# Altium PCB main_io.PcbDoc (part 1 of 6) (continued)
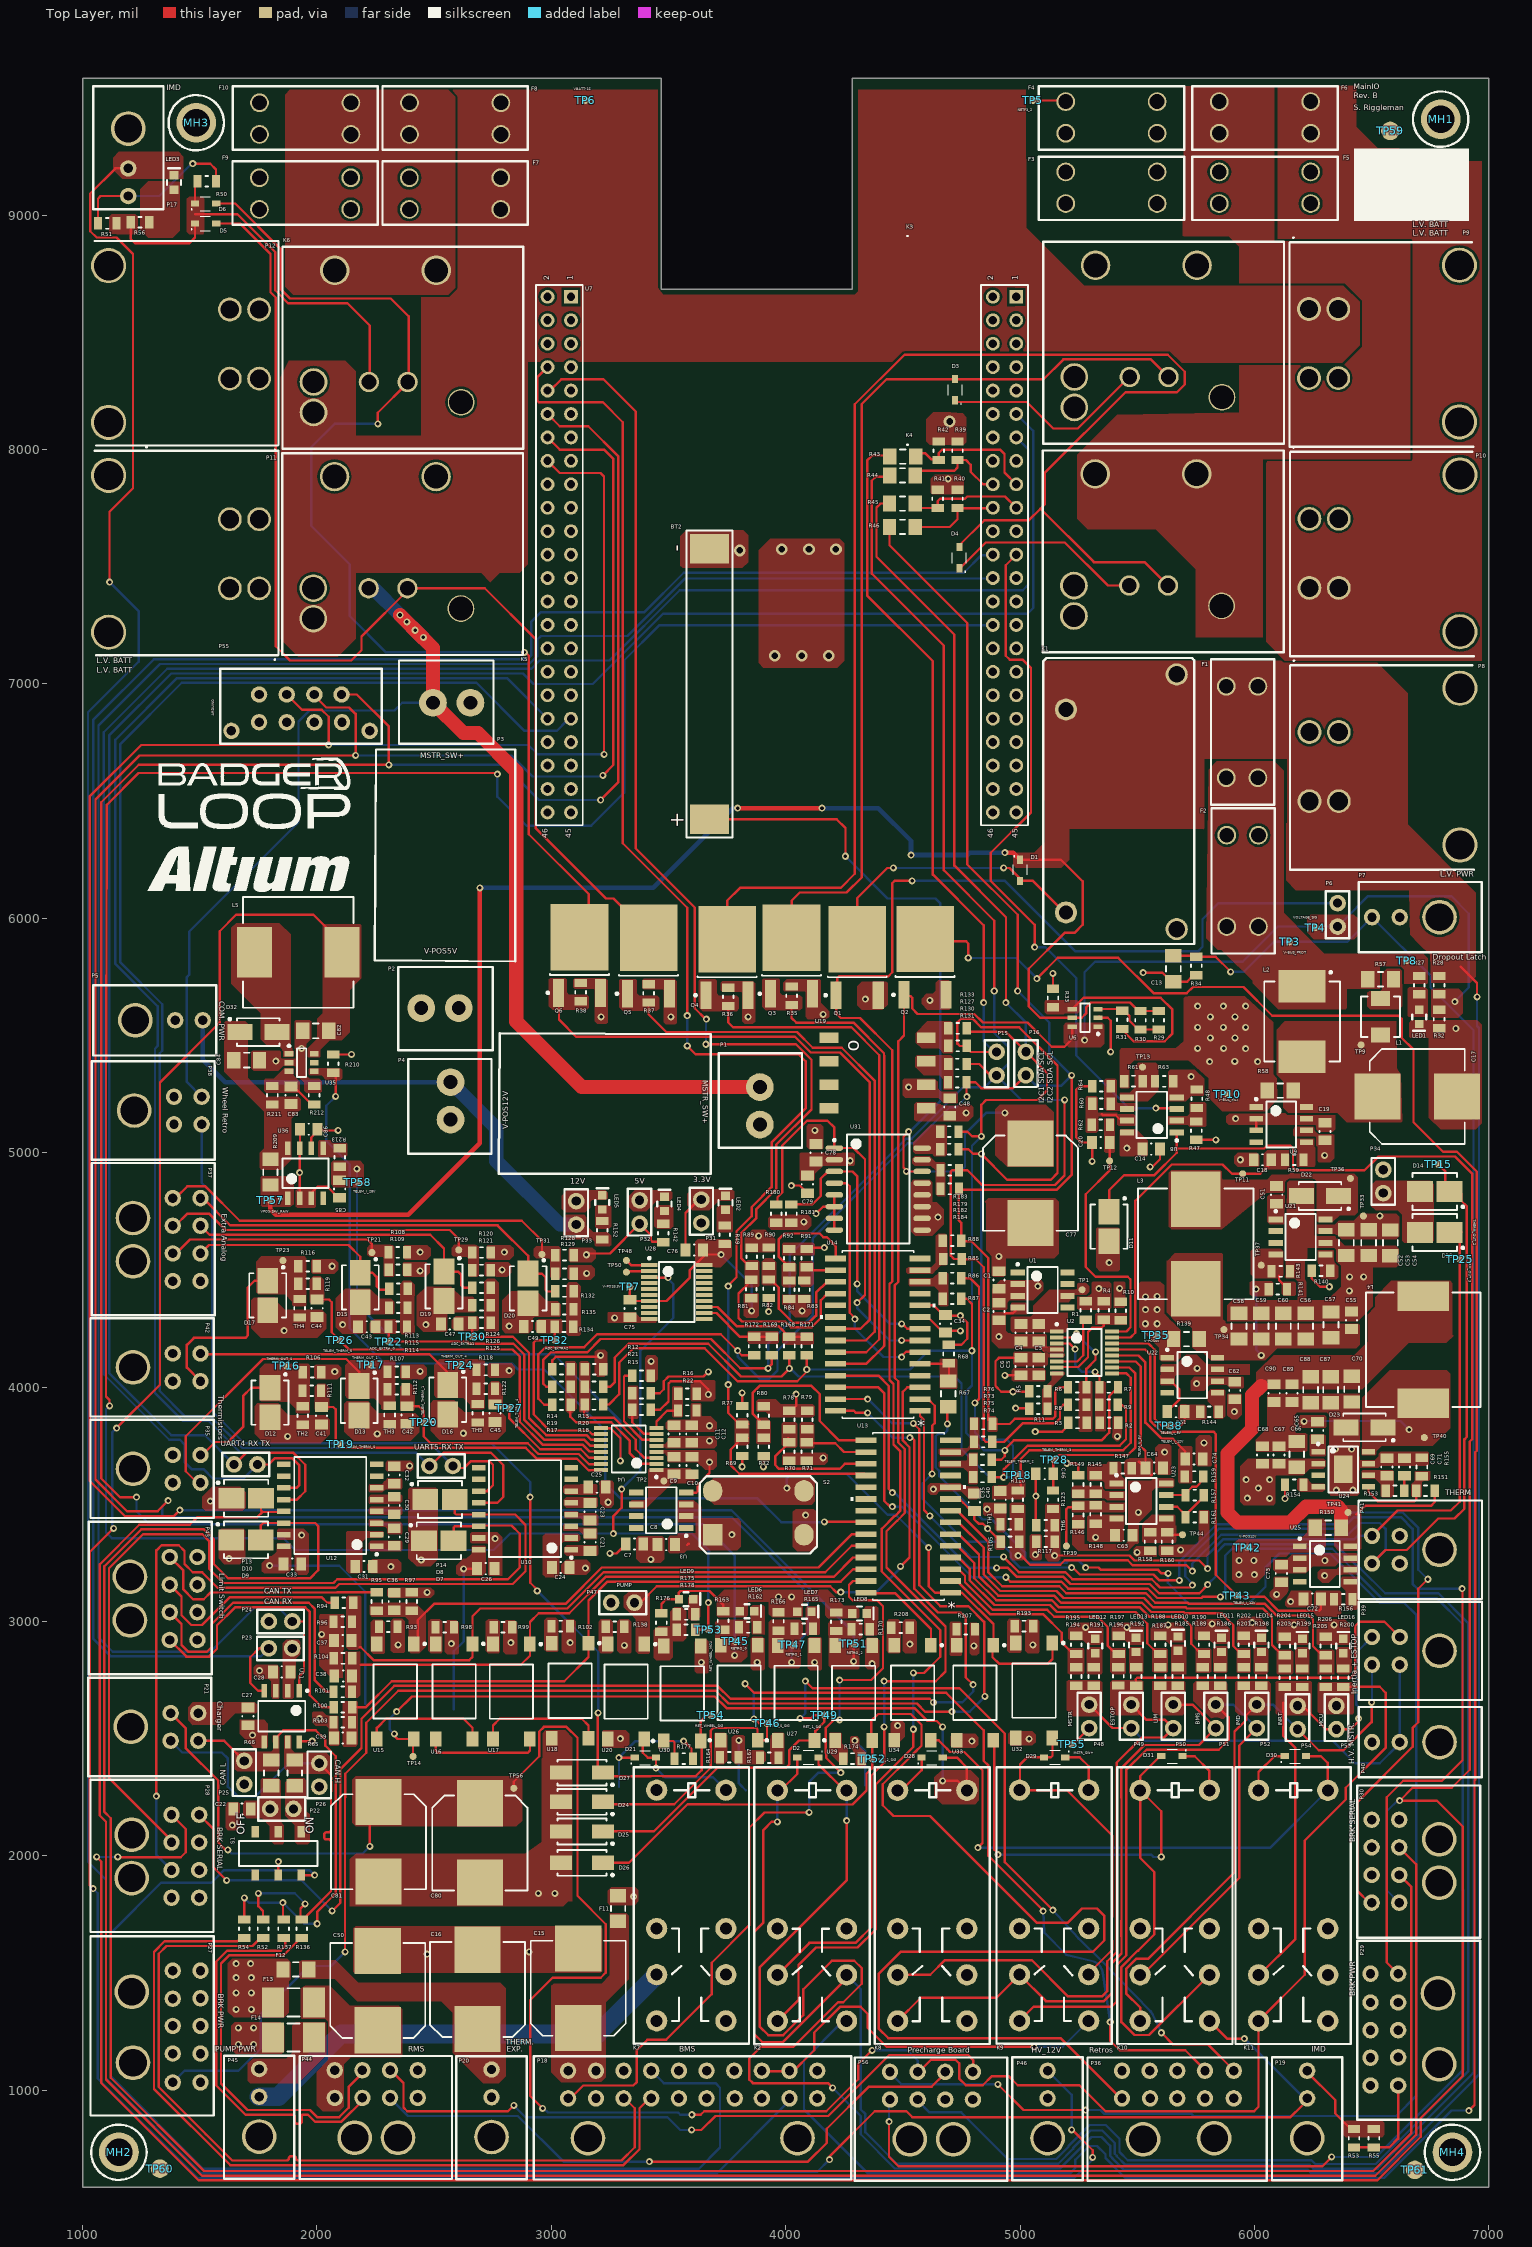
[diagram p0: Top Layer view]
## Components (designator, comment, footprint, x,y, rotation, side; value= is the part's Value field where it differs from the comment) (continued)
R30 "5.1k" SMD-0805-RES 5514,5565 r90 top
R31 "34" SMD-0805-RES 5436,5567 r90 top
R32 "510k" SMD-0805-RES 6788.27,5570 r90 top
R33 "68" SMD-0805-RES 5140.63,5660 r270 top
R34 "255k" SMD-0805-RES 5752.51,5797 r90 top
R35 "10k" SMD-0805-RES 4025,5670 r270 top
R36 "10k" SMD-0805-RES 3755,5665 r270 top
R37 "10k" SMD-0805-RES 3415,5680 r270 top
R38 "10k" SMD-0805-RES 3125,5685 r270 top
R39 "10k" SMD-0805-RES 4733.27,7995 r90 top
R40 "10k" SMD-0805-RES 4733.27,7790 r90 top
R41 "10k" SMD-0805-RES 4648.27,7790 r90 top
R42 "10k" SMD-0805-RES 4653.54,7995 r90 top
R43 "0.0" SMD-1206-RES 4500,7970 r0 top
R44 "0.0" SMD-1206-RES 4498.5,7890 r180 top
R45 "0.0" SMD-1206-RES 4498.27,7770 r0 top
R46 "0.0" SMD-1206-RES 4498.27,7670 r180 top
R47 "10k" SMD-0805-RES 5752.51,5094.13 r270 top
R48 "10k" SMD-0805-RES 5754.87,5230 r270 top
R49 "180" SMD-0805-RES 3740,4650 r270 top
R50 "0.0" SMD-0805-RES 1530,9145 r0 top
R51 "1k" SMD-0805-RES 1105,8965 r0 top
R52 "0.0" SMD-0805-RES 1770,1688.7 r270 top
R53 "0.0" SMD-0805-RES 6425,795 r90 top
R54 "0.0" SMD-0805-RES 1690,1688.98 r270 top
R55 "1k" SMD-0805-RES 6510,795 r270 top
R56 "1k" SMD-0805-RES 1245,8970 r0 top
R57 "0.18" SMD-1206-RES 6538.27,5740 r0 top
R58 ".004" SMD-1206-RES 6110,5265 r180 top
R59 "30k" SMD-0805-RES 6170,4970 r180 top
R60 "6.2k" SMD-0805-RES 5347.32,5208.5 r180 top
R61 "100k" SMD-0805-RES 5483.93,5305.59 r0 top
R62 "30k" SMD-0805-RES 5344.87,5118.62 r0 top
R63 "10k" SMD-0805-RES 5614.87,5304.13 r180 top
R64 "10k" SMD-0805-RES 5347.32,5283.5 r0 top
R65 "60.4" SMD-1206-RES 1905,2353.37 r270 top
R66 "60.4" SMD-1206-RES 1805,2353.37 r270 top
R67 "46.4k" SMD-1206-RES 4693.41,3971.02 r270 top
R68 "10k" SMD-0805-RES 4695.28,4141.02 r270 top
R69 "10k" SMD-0805-RES 3814.49,3745 r270 top
R70 "10k" SMD-0805-RES 4015.69,3724.74 r270 top
R71 "10k" SMD-0805-RES 4090.69,3724.74 r270 top
R72 "10k" SMD-0805-RES 3905.69,3744.74 r270 top
R73 "0.0" SMD-0805-RES 4842.57,3765.88 r0 top
R74 "0.0" SMD-0805-RES 4840,3616.26 r0 top
R75 "0.0" SMD-0805-RES 4840,3690 r0 top
R76 "0.0" SMD-0805-RES 4843.06,3842.73 r0 top
R77 "10k" SMD-0805-RES 3815,3880 r270 top
R78 "10k" SMD-0805-RES 4015,3860 r270 top
R79 "10k" SMD-0805-RES 4092.36,3860 r270 top
R80 "10k" SMD-0805-RES 3905.69,3878.43 r270 top
R81 "10k" SMD-0805-RES 3853.13,4417.95 r270 top
R82 "10k" SMD-0805-RES 3927.05,4419.33 r270 top
R83 "10k" SMD-0805-RES 4080,4415 r270 top
R84 "10k" SMD-0805-RES 4015,4415 r270 top
R85 "0.0" SMD-0805-RES 4711.68,4546.42 r0 top
R86 "0.0" SMD-0805-RES 4710,4465 r0 top
R87 "0.0" SMD-0805-RES 4710.22,4377.24 r0 top
R88 "0.0" SMD-0805-RES 4710,4625 r0 top
R89 "10k" SMD-0805-RES 3855,4555.63 r270 top
R90 "10k" SMD-0805-RES 3927.05,4555.75 r270 top
R91 "10k" SMD-0805-RES 4090,4550 r270 top
R92 "10k" SMD-0805-RES 4015,4550 r270 top
R93 "180" SMD-0805-RES 2304.37,2977.87 r180 top
R94 "680k" SMD-0805-RES 2115,3080 r180 top
R95 "680k" SMD-0805-RES 2255.79,3085 r90 top
R96 "147k" SMD-0805-RES 2110,2998.95 r0 top
R97 "147k" SMD-0805-RES 2405,3085 r270 top
R98 "180" SMD-0805-RES 2545,2975.63 r180 top
R99 "180" SMD-0805-RES 2793.63,2975 r180 top
R100 "680k" SMD-0805-RES 2110.63,2634.3 r180 top
R101 "680k" SMD-0805-RES 2110,2699.3 r180 top
R102 "180" SMD-0805-RES 3040,2980 r180 top
R103 "147k" SMD-0805-RES 2110,2570 r0 top
R104 "147k" SMD-0805-RES 2111.13,2842.13 r0 top
R105 "10k" SMD-0805-RES 4956.97,3339.05 r180 top
R106 "10k" SMD-0805-RES 1979.41,4063.89 r0 top
R107 "10k" SMD-0805-RES 2340,4065.68 r0 top
R108 "0.0" SMD-0805-RES 2345.04,4574.32 r0 top
R109 "0.0" SMD-0805-RES 2346,4500.63 r0 top
R110 "30k" SMD-0805-RES 4990.63,3519.05 r90 top
R111 "30k" SMD-0805-RES 1977.68,3983.89 r0 top
R112 "30k" SMD-0805-RES 2340,3990.68 r0 top
R113 "0.0" SMD-0805-RES 2347.44,4418.81 r180 top
R114 "30k" SMD-0805-RES 2345.04,4257.59 r180 top
R115 "200" SMD-0805-RES 2346.81,4338.81 r0 top
R116 "10k" SMD-0805-RES 1960.12,4515.57 r0 top
R117 "10k" SMD-0805-RES 5109.17,3340.67 r180 top
R118 "10k" SMD-0805-RES 2720,4073.05 r0 top
R119 "30k" SMD-0805-RES 1960,4440.57 r0 top
R120 "0.0" SMD-0805-RES 2701.89,4574.21 r0 top
R121 "0.0" SMD-0805-RES 2701.89,4499.21 r0 top
R122 "30k" SMD-0805-RES 2720,3993.05 r0 top
R123 "30k" SMD-0805-RES 5140.63,3519.05 r90 top
R124 "0.0" SMD-0805-RES 2701.89,4424.21 r180 top
R125 "30k" SMD-0805-RES 2702.28,4274.21 r180 top
R126 "200" SMD-0805-RES 2702.28,4349.21 r0 top
R127 "0.0" SMD-0805-RES 4733.47,5455.51 r180 top
R128 "0.0" SMD-0805-RES 3056.21,4562.99 r0 top
R129 "0.0" SMD-0805-RES 3056.21,4482.99 r0 top
R130 "0.0" SMD-0805-RES 4732.78,5378.57 r180 top
R131 "0.0" SMD-0805-RES 4732.15,5301.17 r180 top
R132 "0.0" SMD-0805-RES 3056.21,4407.99 r180 top
R133 "0.0" SMD-0805-RES 4733.47,5530.51 r180 top
R134 "30k" SMD-0805-RES 3054.32,4257.99 r180 top
R135 "200" SMD-0805-RES 3055.58,4332.99 r0 top
R136 "0.0" SMD-0805-RES 1935,1688.7 r270 top
R137 "0.0" SMD-0805-RES 1857.6,1688.7 r270 top
R138 "180" SMD-0805-RES 3271.36,2977.62 r180 top
R139 "0.01" SMD-1206-RES 5710.12,4205 r180 top
R140 "1k" SMD-0805-RES 6284.4,4495.87 r0 top
R141 "10k" SMD-0805-RES 6100,4418.11 r180 top
R142 "330" SMD-0805-RES 3477.74,4656.93 r270 top
R143 "3.24k" SMD-0805-RES 6112.17,4493.47 r180 top
R144 "30k" SMD-0805-RES 5808.07,3895 r180 top
R145 "6.2k" SMD-0805-RES 5322.8,3584.23 r90 top
R146 "10k" SMD-0805-RES 5247.8,3454.23 r270 top
R147 "30k" SMD-0805-RES 5437.8,3654.39 r0 top
R148 "10k" SMD-0805-RES 5322.24,3456.57 r90 top
R149 "10k" SMD-0805-RES 5247.8,3584.23 r270 top
R150 "0.01" SMD-1206-RES 6315,3400 r180 top
R151 "147k" SMD-0805-RES 6730,3557.38 r0 top
R152 "1k" SMD-0805-RES 3217.69,4668.9 r270 top
R153 "56.2k" SMD-0805-RES 6600,3557.38 r180 top
R154 "133k" SMD-0805-RES 6170,3582.69 r180 top
R155 "10.5k" SMD-0805-RES 6715,3659.13 r270 top
R156 "30k" SMD-0805-RES 6379.45,3095 r180 top
R157 "0.0" SMD-0805-RES 5745,3539.23 r0 top
R158 "10k" SMD-0805-RES 5555,3340.67 r270 top
R159 "30k" SMD-0805-RES 5742.8,3618.35 r180 top
R160 "5.1k" SMD-0805-RES 5627.6,3340.67 r90 top
R161 "0.0" SMD-0805-RES 5745,3445 r0 top
R162 "180" SMD-0805-RES 3840,2974.25 r0 top
R163 "10k" SMD-0805-RES 3733.03,3003.62 r90 top
R164 "1k" SMD-0805-RES 3759.37,2420 r180 top
R165 "180" SMD-0805-RES 4076.89,2969.09 r0 top
R166 "10k" SMD-0805-RES 3969.37,3000 r90 top
R167 "1k" SMD-0805-RES 3930,2418.78 r0 top
R168 "0.0" SMD-0805-RES 4016,4175 r90 top
R169 "0.0" SMD-0805-RES 3940,4174.88 r90 top
R170 "180" SMD-0805-RES 4320,2967.4 r0 top
R171 "0.0" SMD-0805-RES 4090,4174.88 r90 top
R172 "0.0" SMD-0805-RES 3865,4174.88 r90 top
R173 "10k" SMD-0805-RES 4215.64,2998.78 r90 top
R174 "1k" SMD-0805-RES 4285,2415 r180 top
R175 "180" SMD-0805-RES 3575,3030 r0 top
R176 "10k" SMD-0805-RES 3470,2995 r90 top
R177 "1k" SMD-0805-RES 3565,2415 r180 top
R178 "0.0" SMD-0805-RES 3574.8,2964.65 r0 top
R179 "0.0" SMD-0805-RES 4698.33,5015.59 r180 top
R180 "10k" SMD-0805-RES 3960,4740 r270 top
R181 "10k" SMD-0805-RES 4024.76,4740 r270 top
R182 "0.0" SMD-0805-RES 4699.87,4925.63 r180 top
R183 "0.0" SMD-0805-RES 4698.33,5089.96 r180 top
R184 "0.0" SMD-0805-RES 4699.87,4845.31 r180 top
R185 "1k" SMD-0805-RES 5673.35,2765 r90 top
R186 "1k" SMD-0805-RES 5855,2765 r90 top
R187 "6.34k" SMD-0805-RES 5598.7,2765 r90 top
R188 "1k" SMD-0805-RES 5598.7,2900 r90 top
R189 "6.34k" SMD-0805-RES 5780,2765 r90 top
R190 "1k" SMD-0805-RES 5785,2900 r90 top
R191 "1k" SMD-0805-RES 5314.76,2765 r90 top
R192 "1k" SMD-0805-RES 5495,2765 r90 top
R193 "180" SMD-0805-RES 5017.11,2980 r180 top
R194 "6.34k" SMD-0805-RES 5240,2765 r90 top
R195 "1k" SMD-0805-RES 5240,2900 r90 top
R196 "6.34k" SMD-0805-RES 5420,2765.63 r90 top
R197 "1k" SMD-0805-RES 5420.28,2900 r90 top
R198 "1k" SMD-0805-RES 6030,2765 r90 top
R199 "1k" SMD-0805-RES 6205,2760 r90 top
R200 "1k" SMD-0805-RES 6379.45,2760 r90 top
R201 "6.34k" SMD-0805-RES 5955,2765 r90 top
R202 "1k" SMD-0805-RES 5955,2900 r90 top
R203 "6.34k" SMD-0805-RES 6130,2760 r90 top
R204 "1k" SMD-0805-RES 6130,2895 r90 top
R205 "6.34k" SMD-0805-RES 6305,2760 r90 top
R206 "1k" SMD-0805-RES 6305,2895 r90 top
R207 "180" SMD-0805-RES 4768.39,2967.4 r180 top
R208 "180" SMD-0805-RES 4490.28,2973.62 r180 top
R209 "0.03" SMD-1206-RES 1801.06,4917.4 r270 top
R210 "10k" SMD-0805-RES 2070,5380 r90 top
R211 "280k" SMD-0805-RES 1810,5245 r270 top
R212 "13.3k" SMD-0805-RES 1987.6,5245 r270 top
R213 "30k" SMD-0805-RES 2096.83,4980 r270 top
S1 "CL-SB-22B-01T" SOP250P500X350-6N 1835,2010 r90 top
S2 "OFF-mom push button SPST" K12SCS1.55NOLFTX 3688.38,3370 r90 top
TH1 "NCP21XM472J03RA" SMD-0805-RES 4955.63,3414.78 r0 top
TH2 "NCP21XM472J03RA" SMD-0805-RES 1939.41,3878.26 r90 top
TH3 "NCP21XM472J03RA" SMD-0805-RES 2310,3880.68 r90 top
TH4 "NCP21XM472J03RA" SMD-0805-RES 1925.8,4336.57 r90 top
TH5 "NCP21XM472J03RA" SMD-0805-RES 2686.26,3888.05 r90 top
TH6 "NCP21XM472J03RA" SMD-0805-RES 5109.17,3410.67 r0 top
TP1 "TP" "Test Point"#1 5265,4415.28 r0 top
TP2 "TP" "Test Point"#2 3454.14,3599.32 r0 top
TP3 "TP" "Test Point"#3 6105,6065 r90 top
TP4 "TP" "Test Point"#1 6260,5960 r0 top
TP5 "TP" "Test Point"#1 5055,9490 r0 top
TP6 "TP" "Test Point"#1 3145.79,9490 r0 top
TP7 "TP" "Test Point"#1 3335,4428.07 r0 top
TP8 "TP" "Test Point"#1 6650,5820 r0 top
TP9 "TP" "Test Point"#1 6455,5460 r0 top
TP10 "TP" "Test Point"#1 5885,5250 r0 top
TP11 "TP" "Test Point"#1 5950,4910 r0 top
TP12 "TP" "Test Point"#1 5382.28,4965 r0 top
TP13 "TP" "Test Point"#1 5522.6,5365 r270 top
TP14 "TP" "Test Point"#1 2410,2423.78 r0 top
TP15 "TP" "Test Point"#4 6920,4740 r0 top
TP16 "TP" "Test Point"#5 1870,4070 r0 top
TP17 "TP" "Test Point"#6 2229.74,4080 r0 top
TP18 "TP" "Test Point"#1 4989.96,3623.03 r0 top
TP19 "TP" "Test Point"#1 2100,3755 r0 top
TP20 "TP" "Test Point"#1 2455,3850 r0 top
TP21 "TP" "Test Point"#1 2234.37,4574.13 r270 top
TP22 "TP" "Test Point"#1 2305.67,4194.35 r0 top
TP23 "TP" "Test Point"#1 1855,4540 r0 top
TP24 "TP" "Test Point"#1 2609.74,4092.36 r0 top
TP25 "TP" "Test Point"#1 6876.93,4545 r0 top
TP26 "TP" "Test Point"#1 2096.83,4200 r0 top
TP27 "TP" "Test Point"#1 2820,3910 r0 top
TP28 "TP" "Test Point"#1 5145,3690 r0 top
TP29 "TP" "Test Point"#7 2605,4575 r270 top
TP30 "TP" "Test Point"#1 2662.91,4215 r270 top
TP31 "TP" "Test Point"#1 2960,4565.91 r270 top
TP32 "TP" "Test Point"#1 3014.95,4200 r270 top
TP33 "TP" "Test Point"#8 6465,4725 r0 top
TP34 "TP" "Test Point"#1 5870,4245.24 r0 top
TP35 "TP" "Test Point"#9 5600,4220.24 r0 top
TP36 "TP" "Test Point"#10 6355,4885.24 r0 top
TP37 "TP" "Test Point"#11 6029.25,4460.24 r0 top
TP38 "TP" "Test Point"#1 5635,3835 r0 top
TP39 "TP" "Test Point"#1 5197.8,3321.65 r90 top
TP40 "TP" "Test Point"#1 6725,3784.37 r90 top
TP41 "TP" "Test Point"#1 6400,3465 r90 top
TP42 "TP" "Test Point"#1 5970,3315 r90 top
TP43 "TP" "Test Point"#1 5925,3110 r0 top
TP44 "TP" "Test Point"#1 5693.07,3369.89 r0 top
TP45 "TP" "Test Point"#12 3790,2907.76 r0 top
TP46 "TP" "Test Point"#1 3920,2565 r0 top
TP47 "TP" "Test Point"#1 4030,2900 r0 top
TP48 "TP" "Test Point"#1 3320.24,4540.32 r0 top
TP49 "TP" "Test Point"#1 4165,2600 r0 top
TP50 "TP" "Test Point"#1 3320.24,4490.32 r0 top
TP51 "TP" "Test Point"#1 4290,2904.02 r0 top
TP52 "TP" "Test Point"#1 4368.74,2415 r0 top
TP53 "TP" "Test Point"#1 3669.95,2965 r0 top
TP54 "TP" "Test Point"#1 3680,2600 r0 top
TP55 "TP" "Test Point"#1 5220,2475 r0 top
TP56 "TP" "Test Point"#1 2840,2288 r0 top
TP57 "TP" "Test Point"#1 1801.06,4797.4 r0 top
TP58 "TP" "Test Point"#1 2174.88,4875 r180 top
TP59 "2mm_Fiducial" 2mm_Fiducial 6580,9360 r0 top
TP60 "2mm_Fiducial" 2mm_Fiducial 1330,665 r0 top
TP61 "2mm_Fiducial" 2mm_Fiducial 6685,660 r0 top
U1 "REF194GSZ" SOP127P600X175-8N 5096.3,4414.35 r0 top
U2 "ADC128D818CIMTX/NOPB" TSOP65P660X120-16N 5275,4147.81 r0 top
U3 "REF194GSZ" SOP127P600X175-8N 3469.14,3474.43 r180 top
U4 "ADC128D818CIMTX/NOPB" TSOP65P660X120-16N 3330.4,3736.18 r180 top
U6 "TPS3701DDCT" TSOP95P280X110-6N 5277.8,5575.51 r180 top
U7 "BEAGLEBONE Black Rev C Headers" Beaglebone_Topside 2984,8652 r0 top
U8 "TL072CDR" SOP127P600X175-8N 5562.51,5161.54 r180 top
U9 "INA240A3" SOIC127P600X175-8N 6115,5120 r0 top
U10 "MAX3232IDW" SOP127P1060X175-16N 2887.83,3481 r180 top
U11 "SN65HVD256" SOIC127P610X280-8N 1850,2595 r270 top
U12 "MAX3232IDW" SOP127P1060X175-16N 2056.77,3494.89 r180 top
U13 "MCP23017T-E/SO" SOIC28-W_MC-M 4523.33,3447.61 r180 top
U14 "MCP23017T-E/SO" SOIC28-W_MC-M 4393.13,4223.78 r180 top
U15 "TPC817" SOT200P1005X328-5N 2334.53,2701.26 r270 top
U16 "TPC817" SOT200P1005X328-5N 2585,2701.26 r270 top
U17 "TPC817" SOT200P1005X328-5N 2830,2700.63 r270 top
U18 "TPC817" SOT200P1005X328-5N 3080,2704.25 r270 top
U19 "SSCMNNN030PA2A3" 8-SMT 4185,5190 r90 top
U20 "TPC817" SOT200P1005X328-5N 3318.74,2700.63 r270 top
U21 "TPS5420" SOP127P600X175-8N 6197.17,4640.76 r0 top
U22 "INA240A3" SOIC127P600X175-8N 5735.2,4050.63 r0 top
U23 "TL072CDR" SOP127P600X175-8N 5517.8,3514.23 r0 top
U24 "TPS54560BQDDARQ1" "SOP127P600X175-8N - Thermal Pad" 6379.37,3648.69 r0 top
U25 "INA240A3" SOIC127P600X175-8N 6300.95,3245 r0 top
U26 "TPC817" SOT200P1005X328-5N 3801.26,2695.63 r90 top
U27 "TPC817" SOT200P1005X328-5N 4044.29,2695 r90 top
U28 "SLG46826" SOP65P640X175-20N 3535.24,4405.32 r0 top
U29 "TPC817" SOT200P1005X328-5N 4290,2695 r90 top
U30 "TPC817" SOT200P1005X328-5N 3558.74,2692.76 r90 top
U31 "IC RTC CLK/CALENDAR I2C 16-SOIC" SOP127P1030X265-16N 4395,4845 r0 top
U32 "TPC817" SOT200P1005X328-5N 5059.61,2705 r270 top
U33 "TPC817" SOT200P1005X328-5N 4807.76,2695.63 r270 top
U34 "TPC817" SOT200P1005X328-5N 4541.26,2695.63 r270 top
U35 "LM2733YMFX/NOPB" TSOP95P280X145-6N 1934.71,5384.72 r0 top
U36 "INA240A3" SOIC127P600X175-8N 1951.06,4912.4 r90 top

## Footprints (in the part's own frame and the unit in brackets; to place one, negate y for a bottom-side part, rotate by r counter-clockwise, add the part's x,y. Pads: shape width x height; smd on the part's side, far side on the other; paste and mask are expansions set on the pad)
2mm_Fiducial [mm]
  round 2 smd: 1(0,0)
"2POS TERM BLOCK" [mm] "5mm Pitch"
  round 3 hole 1.5: 1(0,0) 2(4.064,0)
  silkscreen extent -2.5,-4.57 7.75,4.45, body extent -2.51,-4.57 8.09,4.43, height 12.6
8-SMT [mm]
  rect 1.15x2.04 smd: 1(0,-10.54) 2(2.54,-10.54) 3(5.08,-10.54) 4(7.62,-10.54) 5(7.62,0) 6(5.08,0) 7(2.54,0) 8(0,0)
  body extent -1.35,-12 8.55,1.46, height 5.44
430450200 [mil]
  round 70 hole 40: 1(0,170) 2(0,288)
  round 148 hole 118: 3(0,0)
  silkscreen extent -150,-180 150,345, body extent -141,-185 141,297, height 340
430450400 [mil]
  round 70 hole 40: 1(59,170) 2(-59,170) 3(59,288) 4(-59,288)
  round 148 hole 118: 5(0,0)
  silkscreen extent -210,-181 210,344, body extent -200,-180 200,302, height 340
430450800 [mil]
  round 70 hole 40: 1(84,170) 2(-34,170) 3(-152,170) 4(-270,170) 5(84,288) 6(-34,288) 7(-152,288) 8(-270,288)
  round 148 hole 118: 9(-185,0) 9(0,0)
  silkscreen extent -420,-176 230,349, body extent -413,-180 223,302, height 340
0430450827 [mil]
  round 70 hole 40: 1(84,170) 2(-34,170) 3(-152,170) 4(-268,170) 5(84,288) 6(-34,288) 7(-152,288) 8(-270,288) ""(-388,325) ""(202,325)
  silkscreen extent -440,60 250,380, body extent -408,75 228,420, height 405
430451000 [mil]
  round 70 hole 40: 1(84,170) 2(-39,170) 3(-157,170) 4(-273,170) 5(-393,170) 6(84,288) 7(-39,288) 8(-157,288) 9(-275,288) 10(-393,288)
  round 148 hole 118: 11(-303,-5) 11(0,0)
  silkscreen extent -540,-181 225,344, body extent -532,-180 222,302, height 340
430452000 [mil]
  round 70 hole 40: 1(84,170) 2(-34,170) 3(-152,170) 4(-268,170) 5(-388,170) 6(-506,170) 7(-624,170) 8(-742,170) 9(-860,170) 10(-979,170) 11(84,288) 12(-34,288) 13(-152,288) 14(-270,288) 15(-388,288) 16(-506,288) 17(-624,288) 18(-742,288) 19(-860,288) 20(-979,288)
  round 148 hole 118: 21(-894,0) 21(0,0)
  silkscreen extent -1125,-176 230,349, body extent -1119,-176 225,306, height 340
"BATTERY HOLDER COIN 20MM" [mm]
  rect 3.2x4.2 smd: 1(14.65,0) 2(-14.65,0)
  silkscreen extent -16.65,-2.5 16.65,2.5, body extent -15.72,-10.47 15.98,9.53, height 5.3
Beaglebone_Topside [mm] "Connector; Header; 24x2 Position"
  rect 1.5x1.5 hole 0.9: 1(50.8,0) 101(2.54,0)
  round 1.5 hole 0.9: 2(48.26,0) 3(50.8,-2.54) 4(48.26,-2.54) 5(50.8,-5.08) 6(48.26,-5.08) 7(50.8,-7.62) 8(48.26,-7.62) 9(50.8,-10.16) 10(48.26,-10.16) 11(50.8,-12.7) 12(48.26,-12.7) 13(50.8,-15.24) 14(48.26,-15.24) 15(50.8,-17.78) 16(48.26,-17.78) 17(50.8,-20.32) 18(48.26,-20.32) 19(50.8,-22.86) 20(48.26,-22.86) 21(50.8,-25.4) 22(48.26,-25.4) 23(50.8,-27.94) 24(48.26,-27.94) 25(50.8,-30.48) 26(48.26,-30.48) 27(50.8,-33.02) 28(48.26,-33.02) 29(50.8,-35.56) 30(48.26,-35.56) 31(50.8,-38.1) 32(48.26,-38.1) 33(50.8,-40.64) 34(48.26,-40.64) 35(50.8,-43.18) 36(48.26,-43.18) 37(50.8,-45.72) 38(48.26,-45.72) 39(50.8,-48.26) 40(48.26,-48.26) 41(50.8,-50.8) 42(48.26,-50.8) 43(50.8,-53.34) 44(48.26,-53.34) 45(50.8,-55.88) 46(48.26,-55.88) 102(0,0) 103(2.54,-2.54) 104(0,-2.54) 105(2.54,-5.08) 106(0,-5.08) 107(2.54,-7.62) 108(0,-7.62) 109(2.54,-10.16) 110(0,-10.16) 111(2.54,-12.7) 112(0,-12.7) 113(2.54,-15.24) 114(0,-15.24) 115(2.54,-17.78) 116(0,-17.78) 117(2.54,-20.32) 118(0,-20.32) 119(2.54,-22.86) 120(0,-22.86) 121(2.54,-25.4) 122(0,-25.4) 123(2.54,-27.94) 124(0,-27.94) 125(2.54,-30.48) 126(0,-30.48) 127(2.54,-33.02) 128(0,-33.02) 129(2.54,-35.56) 130(0,-35.56) 131(2.54,-38.1) 132(0,-38.1) 133(2.54,-40.64) 134(0,-40.64) 135(2.54,-43.18) 136(0,-43.18) 137(2.54,-45.72) 138(0,-45.72) 139(2.54,-48.26) 140(0,-48.26) 141(2.54,-50.8) 142(0,-50.8) 143(2.54,-53.34) 144(0,-53.34) 145(2.54,-55.88) 146(0,-55.88)
  silkscreen extent -1.27,-57.28 52.07,1.27, body extent -1.82,-66.55 52.79,22.35, height 15.24
CAPAE110103X126M [mm] "Aluminum Electrolytic Capacitor, Body 10.30x10.30x12.60mm, IPC Low Density"
  rect 5x5 smd: 1(-4.3,0) 2(4.3,0)
  silkscreen extent -5.15,-5.15 5.15,5.15, body extent -5.5,-5.15 5.5,5.15, height 12.6
"CONN HDR 2POS 7.50MM" [mm]
  round 2.58 hole 1.98: 1(4.75,13.13) 1(4.75,16.31) 2(12.243,13.13) 2(12.243,16.31)
  round 3.81 hole 3.175: ""(0,0) ""(16.993,0)
  silkscreen extent -2.67,-1.49 20,18.41, body extent -2.29,-3.05 18.8,16.74, height 15.12
DIOM4326X20N [mm] "Molded Diode, 2-Leads, Body 4.30x2.61mm, IPC Medium Density"
  rect 2.7x1.7 smd: 1(-2,0) 2(2,0)
  silkscreen extent -3.23,-1.5 2.3,1.52, body extent -2.52,-1.46 2.52,1.46, height 1.96
DIOM4436X26N [mm] "Molded Diode, 2-Leads, Body 4.40x3.62mm, IPC Medium Density"
  rect 2.8x2.26 smd: 1(-1.6,0) 2(1.6,0)
  silkscreen extent -3.17,-2 2.4,2, body extent -2.6,-1.97 2.6,1.97, height 2.61
DPAK228P991X238-3N [mm] "D-PAK, 3-Pads, Body 6.21x6.54mm (max), IPC Medium Density"
  rect 3x1.2 smd: 1(-4.1,2.28) 3(-4.1,-2.28)
  rect 7.2x6.25 smd: 4(1.95,0)
  silkscreen extent -4.22,-3.2 -2.05,3.55, body extent -4.83,-3.17 5.08,3.18, height 2.51
"Fuse Holder 30A 500V 1 Circuit Blade Through Hole" [mil]
  round 80 hole 63: 1(0,135) 1(0,0) 2(390,0) 2(390,135)
  silkscreen extent -115,-65 505,205, body extent -110,-60 505,200, height 290
G2RL [mm]
  round 2.3 hole 1.3: 1(0,0) 2(-15,0) 3(-20,0) 4(-25,0) 5(-25,-7.5) 6(-20,-7.5) 7(-15,-7.5) 8(0,-7.5)
  silkscreen extent -27.5,-10 2.5,2.5, body extent -27.43,-9.91 2.41,2.41, height 15.7
INDM4442X20N [mm] "Molded Inductor, 2-Leads, Body 4.40x4.20mm, IPC Medium Density"
  rect 1.6x2.05 smd: 1(-1.975,0) 2(1.975,0)
  silkscreen extent -2.2,-2.1 2.2,2.1, body extent -2.42,-2.1 2.42,2.1, height 2
INDM5026X18N [mm] "Molded Inductor, 2-Leads, Body 5.04x2.59mm, IPC Medium Density"
  rect 2.4x1.55 smd: 1(-2.286,0) 2(2.286,0)
  silkscreen extent -3.43,-1.4 2.65,1.45, body extent -2.86,-1.4 2.86,1.4, height 1.8
INDM8682X40N [mm] "Molded Inductor, 2-Leads, Body 8.64x8.18mm, IPC Medium Density"
  rect 3.5x5.1 smd: 1(-3.825,0) 2(3.825,0)
  silkscreen extent -5.45,-4.1 4.35,4.1, body extent -4.54,-4.09 4.54,4.09, height 4
INDM120125X75N [mm] "Molded Inductor, 2-Leads, Body 12.00x12.50mm, IPC Medium Density"
  rect 6x5.4 smd: 1(-4.85,0) 2(4.85,0)
  silkscreen extent -6,-6.25 6,6.25, body extent -6.22,-6.25 6.22,6.25, height 7.5
INDP120120X80N [mm] "Precision Wire Wound Inductor, 2-Leads, Body 12.00x12.00mm, IPC Medium Density"
  rect 3.8x5.5 smd: 1(-4.75,0) 2(4.75,0)
  silkscreen extent -6,-6 6,6, body extent -6.1,-6 6.1,6, height 8.1
INDP127127X83N [mm] "Precision Wire Wound Inductor, 2-Leads, Body 12.70x12.70mm, IPC Medium Density"
  rect 3.2x5.6 smd: 1(-5.8,0) 2(5.8,0)
  silkscreen extent -6.2,-6.2 6.2,6.2, body extent -6.35,-6.35 6.35,6.35, height 8.25
K12SCS1.55NOLFTX [mm]
  rect 2.35x2.1 smd: 1(0,0)
  oval 2.35x2.1 smd: 1(0,-9.9) 2(4.75,0) 2(4.75,-9.9)
  silkscreen extent -2.03,-11.3 6.35,1.4, body extent -3.11,-10.75 7.69,0.85, height 9.08
"LED 0603 GREEN" [mm] "Chip Diode, 2-Leads, Body 1.60x0.80mm, IPC Medium Density"
  rect 0.9x0.95 smd: 1(-0.775,0) 2(0.775,0)
  silkscreen extent -0.25,-0.76 1.52,0.76, body extent -0.8,-0.4 0.8,0.4, height 0.8
"LED 0603 RED" [mm] "Chip Diode, 2-Leads, Body 1.60x0.80mm, IPC Medium Density"
  rect 0.9x0.95 smd: 1(-0.775,0) 2(0.775,0)
  silkscreen extent -0.25,-0.76 1.52,0.76, body extent -0.8,-0.4 0.8,0.4, height 0.8
MH [mm] "#10 Mount Hole"
  round 4.3 hole 2.946 unplated: 2(0,0)
  silkscreen extent -3,-3 3,3, body extent -2.32,-2.58 2.32,2.07, height 2.84
PCFN-124D2M,000 [mm]
  round 2.4 hole 1.6: 1(3.8,-12)
  round 2.4 hole 1.5: 2(25.8,-12)
  round 2.4 hole 1.8: 3(0,0) 4(27.6,0)
  silkscreen extent -1.78,-14.48 29.21,1.91, body extent -1.48,-14.22 28.92,1.78, height 29
"Pin Header 1x2 TH Pitch 2.54mm" [mm] "PinHeader 1x2 TH Pitch 2.54mm"
  round 1.8 hole 1: 1(0,0) 2(2.54,0)
  silkscreen extent -1.27,-1.27 3.81,1.27, body extent -1.27,-1.27 3.81,1.27, height 9.5
"RELAY AUTOMOTIVE SPDT 45A 24V - duplicate" [mm]
  round 2.2 hole 1.6: 1(-3.7,12.1) 2(-7.9,12.1)
  round 3 hole 2.4: 3(2.3,15.4) 5(2.3,12.1)
  round 2.896 hole 2.591: 4(-13.7,14.3)
  round 3.2 hole 2.591: 4(-11,0) 4(0,0)
  silkscreen extent -20.43,-3.18 20.4,19.33, body extent -20.38,-2.17 5.71,18.93, height 24.2
RESC6132X26N [mm] "Chip Resistor, 2-Leads, Body 6.10x3.18mm, IPC Medium Density"
  rect 2.4x3.25 smd: 1(-2.225,0) 2(2.225,0)
  silkscreen extent -0.65,-1.52 0.65,1.53, body extent -3.05,-1.59 3.05,1.59, height 2.57
SMD-0805-RES [mm]
  rect 0.9x1.35 smd: 1(-1,0) 2(1,0)
  silkscreen extent -0.15,-0.58 0.15,0.58, body extent -1.1,-0.67 1.1,0.67, height 0.5
SMD-0805C [mm]
  rect 1.05x1.4 smd: 1(-0.95,0) 2(0.95,0)
  silkscreen extent -0.05,-0.6 0.05,0.6, body extent -1.1,-0.67 1.1,0.67, height 0.5
SMD-1206-RES [mm]
  rect 1.45x1.75 smd: 1(-1.4,0) 2(1.4,0)
  silkscreen extent -0.3,-0.77 0.3,0.77, body extent -1.78,-0.87 1.78,0.87, height 0.5
SMD-1206C [mm]
  rect 1.45x1.8 smd: 1(-1.4,0) 2(1.4,0)
  silkscreen extent -0.3,-0.8 0.3,0.8, body extent -1.78,-0.87 1.78,0.87, height 0.5
SODFL250X110-2N [mm] "SODFL, 2-Leads, Body 1.30x2.50mm, IPC Medium Density"
  rect 0.9x0.65 smd: 1(-1.15,0) 2(1.15,0)
  silkscreen extent -0.51,-0.76 1.57,0.76, body extent -1.25,-0.7 1.25,0.7, height 1.1
SOIC28-W_MC-M [mil]
  rect 90x24 smd paste+0 mask+0: 1(-180,325) 2(-180,275) 3(-180,225) 4(-180,175) 5(-180,125) 6(-180,75) 7(-180,25) 8(-180,-25) 9(-180,-75) 10(-180,-125) 11(-180,-175) 12(-180,-225) 13(-180,-275) 14(-180,-325) 15(180,-325) 16(180,-275) 17(180,-225) 18(180,-175) 19(180,-125) 20(180,-75) 21(180,-25) 22(180,25) 23(180,75) 24(180,125) 25(180,175) 26(180,225) 27(180,275) 28(180,325)
  silkscreen extent -245,-358 245,358, body extent -203,-353 203,353, height 104
SOIC127P600X175-8N [mm] "SOIC, 8-Leads, Body 4.90x3.90mm, Pitch 1.27mm, IPC Medium Density"
  rect 1.45x0.6 smd: 1(-2.725,1.905) 2(-2.725,0.635) 3(-2.725,-0.635) 4(-2.725,-1.905) 5(2.725,-1.905) 6(2.725,-0.635) 7(2.725,0.635) 8(2.725,1.905)
  silkscreen extent -2.85,-2.5 1.6,2.88, body extent -2,-2.5 2,2.5, height 1.75
SOIC127P610X280-8N [mm] "SOIC, 8-Leads, Body 5.10x4.10mm, Pitch 1.27mm, IPC Medium Density"
  rect 1.45x0.6 smd: 1(-2.775,1.905) 2(-2.775,0.635) 3(-2.775,-0.635) 4(-2.775,-1.905) 5(2.775,-1.905) 6(2.775,-0.635) 7(2.775,0.635) 8(2.775,1.905)
  silkscreen extent -2.9,-2.55 1.65,2.88, body extent -2.05,-2.55 2.05,2.55, height 2.8
SOP65P640X175-20N [mm] "SOP, 20-Leads, Body 6.50x4.40mm, Pitch 0.65mm, IPC Medium Density"
  rect 1.78x0.42 smd: 1(-2.97,2.925) 2(-2.97,2.275) 3(-2.97,1.625) 4(-2.97,0.975) 5(-2.97,0.325) 6(-2.97,-0.325) 7(-2.97,-0.975) 8(-2.97,-1.625) 9(-2.97,-2.275) 10(-2.97,-2.925) 11(2.97,-2.925) 12(2.97,-2.275) 13(2.97,-1.625) 14(2.97,-0.975) 15(2.97,-0.325) 16(2.97,0.325) 17(2.97,0.975) 18(2.97,1.625) 19(2.97,2.275) 20(2.97,2.925)
  silkscreen extent -3.09,-3.25 1.92,3.81, body extent -3.2,-3.25 3.2,3.25, height 1.75
SOP127P600X175-8N [mm] "SOP, 8-Leads, Body 4.91x3.90mm, Pitch 1.27mm, IPC Medium Density"
  rect 1.55x0.65 smd: 1(-2.7,1.905) 2(-2.7,0.635) 3(-2.7,-0.635) 4(-2.7,-1.905) 5(2.7,-1.905) 6(2.7,-0.635) 7(2.7,0.635) 8(2.7,1.905)
  silkscreen extent -2.82,-2.5 1.65,2.9, body extent -3,-2.5 3,2.5, height 1.75
"SOP127P600X175-8N - Thermal Pad" [mm]
  rect 1.45x0.6 smd: 1(-2.725,1.905) 2(-2.725,0.635) 3(-2.725,-0.635) 4(-2.725,-1.905) 5(2.725,-1.905) 6(2.725,-0.635) 7(2.725,0.635) 8(2.725,1.905)
  rect 2x3 smd: ""(0,0)
  silkscreen extent -2.85,-2.5 1.6,2.88, body extent -3,-2.5 3,2.5, height 1.75
SOP127P1030X265-16N [mm] "SOP, 16-Leads, Body 11.55x7.50mm, Pitch 1.27mm, IPC Medium Density"
  oval 1.9x0.6 smd: 1(-4.75,4.445) 2(-4.75,3.175) 3(-4.75,1.905) 4(-4.75,0.635) 5(-4.75,-0.635) 6(-4.75,-1.905) 7(-4.75,-3.175) 8(-4.75,-4.445) 9(4.75,-4.445) 10(4.75,-3.175) 11(4.75,-1.905) 12(4.75,-0.635) 13(4.75,0.635) 14(4.75,1.905) 15(4.75,3.175) 16(4.75,4.445)
  silkscreen extent -4.87,-5.9 3.4,5.9, body extent -5.16,-5.9 5.16,5.9, height 2.65
SOP127P1060X175-16N [mm] "SOP, 16-Leads, Body 10.50x7.50mm, Pitch 1.27mm, IPC Medium Density"
  rect 1.45x0.6 smd: 1(-5.025,4.445) 2(-5.025,3.175) 3(-5.025,1.905) 4(-5.025,0.635) 5(-5.025,-0.635) 6(-5.025,-1.905) 7(-5.025,-3.175) 8(-5.025,-4.445) 9(5.025,-4.445) 10(5.025,-3.175) 11(5.025,-1.905) 12(5.025,-0.635) 13(5.025,0.635) 14(5.025,1.905) 15(5.025,3.175) 16(5.025,4.445)
  silkscreen extent -5.15,-5.25 3.9,5.42, body extent -5.32,-5.25 5.32,5.25, height 1.75
SOP250P500X350-6N [mm] "SOP, 6-Leads, Body 8.50x3.50mm, Pitch 2.50mm, IPC Medium Density"
  rect 1.2x0.8 smd: 1(-2.35,2.5) 2(-2.35,0) 3(-2.35,-2.5) 4(2.35,-2.5) 5(2.35,0) 6(2.35,2.5)
  silkscreen extent -1.35,-4.25 1.35,4.25, body extent -2.5,-4.25 2.5,4.25, height 5.5
SOT200P1005X328-5N [mm] "SOT23, 5-Leads, Body 4.60x10.05mm, Pitch 2.00mm, IPC Medium Density"
  rect 1.6x1.25 smd: 1(-5.15,2) 2(-5.15,-2) 3(5.15,-2) 4(5.15,2)
  silkscreen extent -5.27,-2.35 2.95,3.3, body extent -5.15,-2.62 5.15,2.63, height 3.28
"Test Point"#1 [mil] "SMD Test Point"
  round 30 smd: 1(0,0)
"Test Point"#2 [mil] "SMD Test Point"
  round 30 smd: 1(26,0)
"Test Point"#3 [mil] "SMD Test Point"
  round 30 smd: 1(-165,-45)
"Test Point"#4 [mil] "SMD Test Point"
  round 30 smd: 1(-135,210)
"Test Point"#5 [mil] "SMD Test Point"
  round 30 smd: 1(0,20)
"Test Point"#6 [mil] "SMD Test Point"
  round 30 smd: 1(0,15)
"Test Point"#7 [mil] "SMD Test Point"
  round 30 smd: 1(-10,0)
"Test Point"#8 [mil] "SMD Test Point"
  round 30 smd: 1(0,5)
"Test Point"#9 [mil] "SMD Test Point"
  round 30 smd: 1(-20,0)
"Test Point"#10 [mil] "SMD Test Point"
  round 30 smd: 1(55,5)
"Test Point"#11 [mil] "SMD Test Point"
  round 30 smd: 1(0,59.76)
"Test Point"#12 [mil] "SMD Test Point"
  round 30 smd: 1(-5,7.24)
TSOP65P660X120-16N [mm] "TSOP, 16-Leads, Body 5.00x4.40mm, Pitch 0.65mm, IPC Medium Density"
  rect 1.5x0.45 smd: 1(-3,2.275) 2(-3,1.625) 3(-3,0.975) 4(-3,0.325) 5(-3,-0.325) 6(-3,-0.975) 7(-3,-1.625) 8(-3,-2.275) 9(3,-2.275) 10(3,-1.625) 11(3,-0.975) 12(3,-0.325) 13(3,0.325) 14(3,0.975) 15(3,1.625) 16(3,2.275)
  silkscreen extent -3.12,-2.55 1.85,3.17, body extent -3.3,-2.55 3.3,2.55, height 1.2
TSOP95P280X110-6N [mm] "TSOP, 6-Leads, Body 2.90x1.60mm, Pitch 0.95mm, IPC Medium Density"
  rect 1x0.5 smd: 1(-1.4,0.95) 2(-1.4,0) 3(-1.4,-0.95) 4(1.4,-0.95) 5(1.4,0) 6(1.4,0.95)
  silkscreen extent -1.53,-1.55 0.5,1.87, body extent -1.5,-1.55 1.5,1.55, height 1.1
TSOP95P280X145-6N [mm] "TSOP, 6-Leads, Body 2.90x1.60mm, Pitch 0.95mm, IPC Medium Density"
  rect 0.95x0.6 smd: 1(-1.375,0.95) 2(-1.375,0) 3(-1.375,-0.95) 4(1.375,-0.95) 5(1.375,0) 6(1.375,0.95)
  silkscreen extent -1.5,-1.55 0.5,1.92, body extent -1.39,-1.55 1.39,1.55, height 1.45